# Altium PCB m2m v00.PcbDoc (part 1 of 2) (continued)
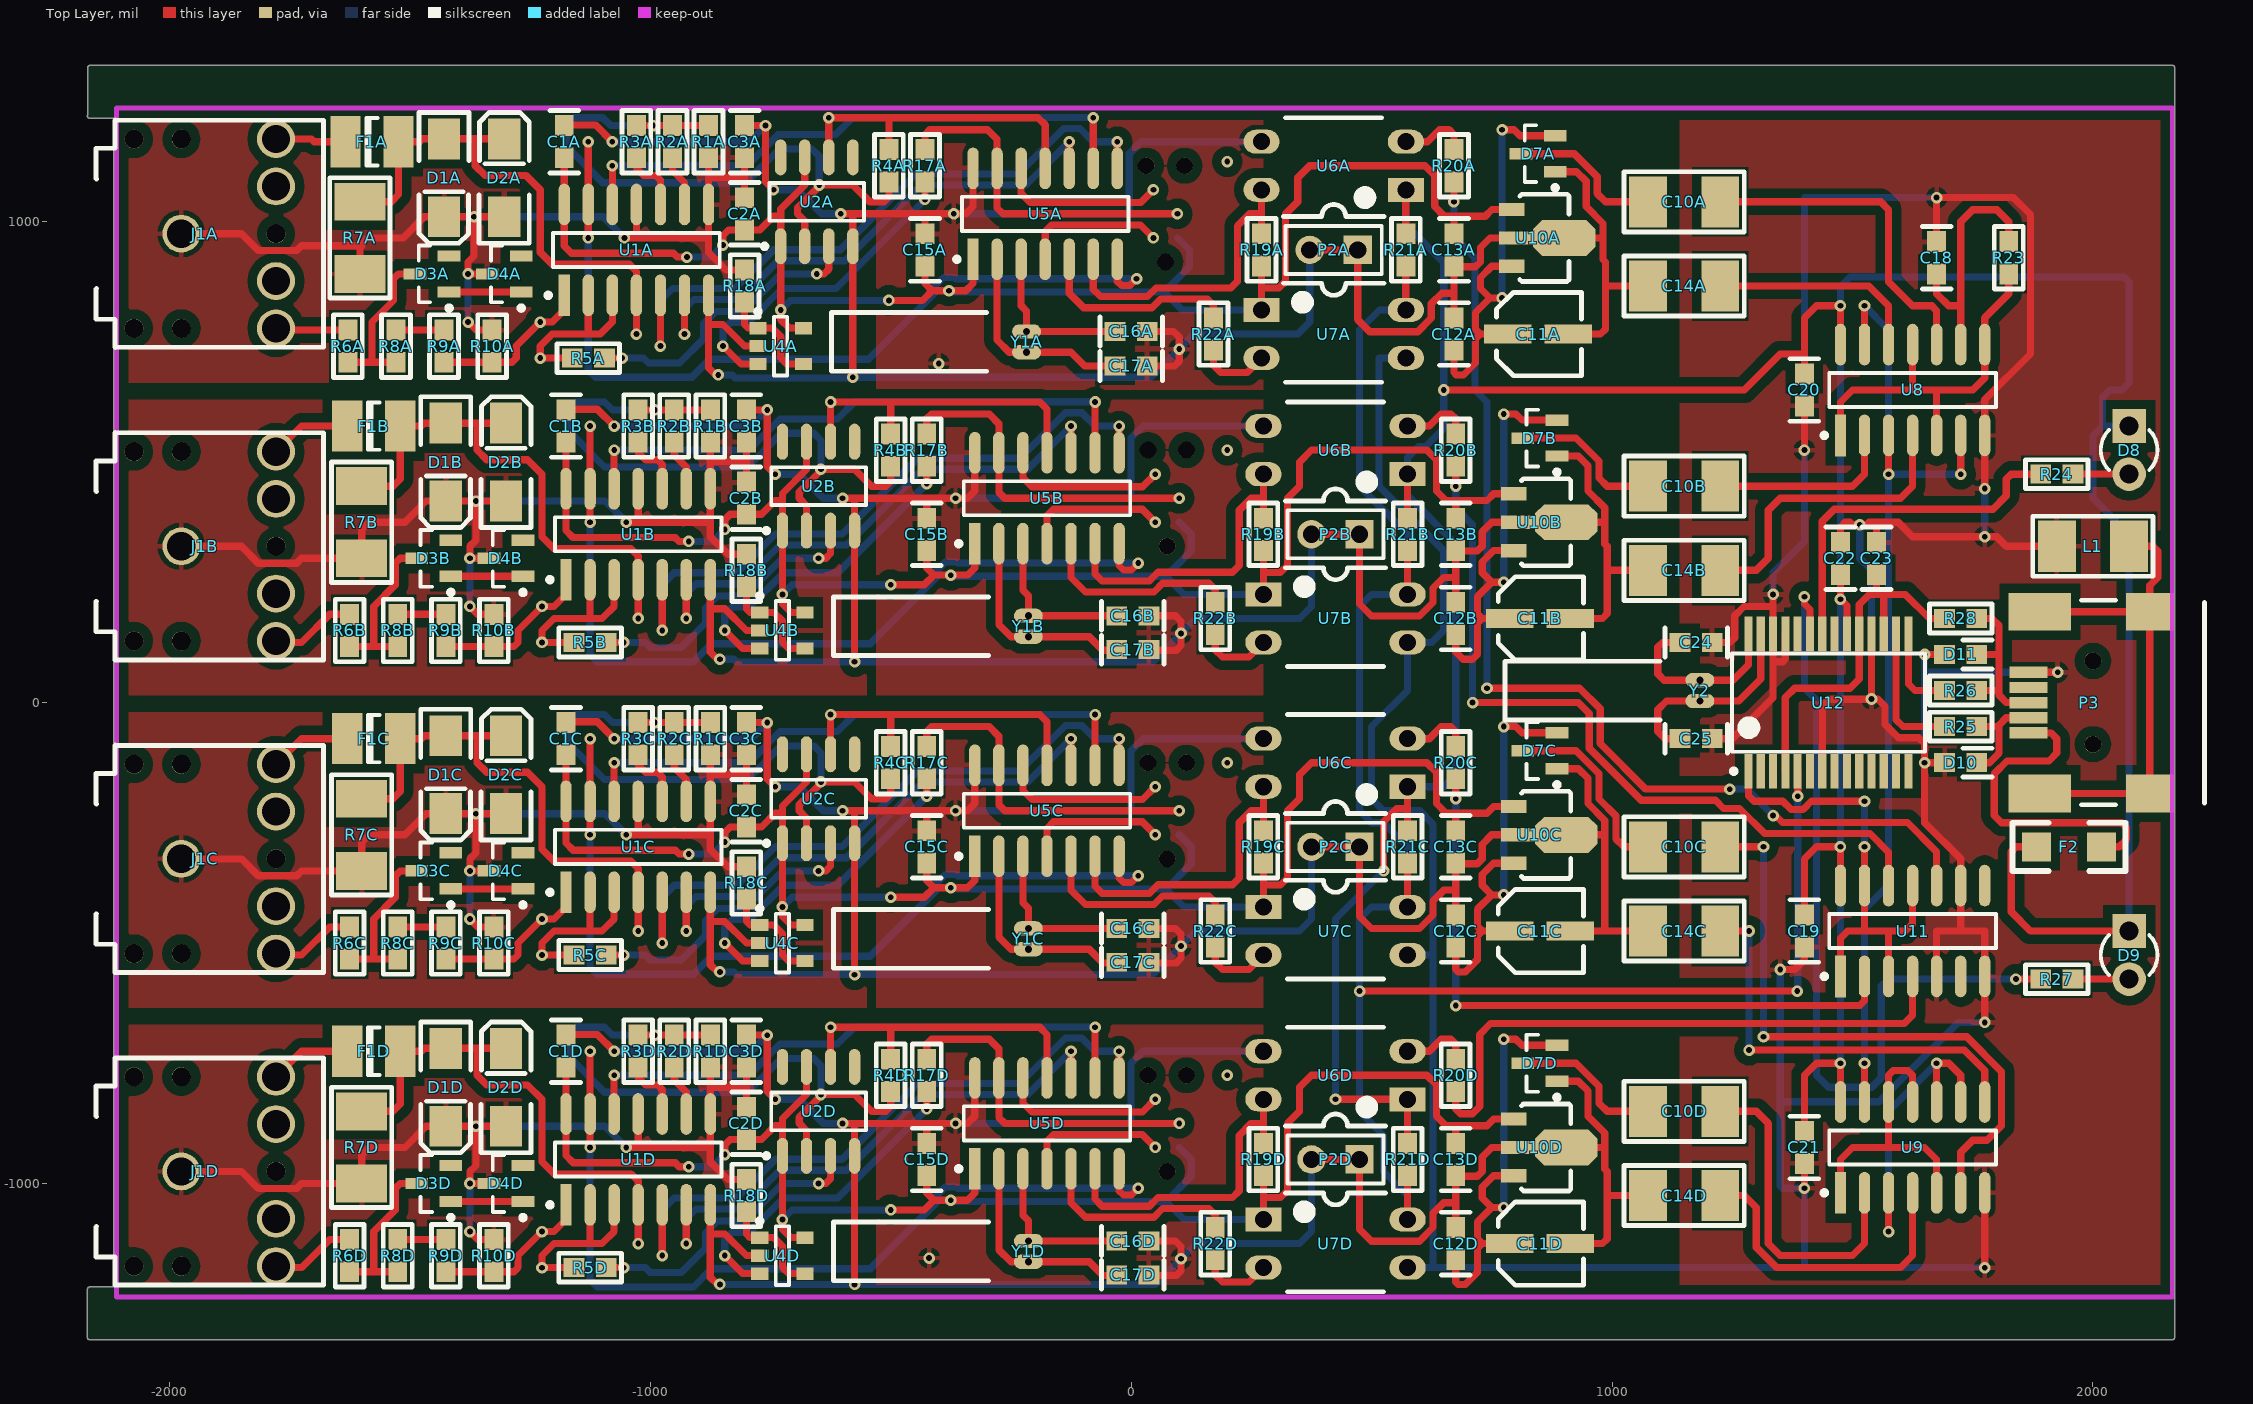
[diagram p0: Top Layer view]
## Components (designator, comment, footprint, x,y, rotation, side; value= is the part's Value field where it differs from the comment) (continued)
R8C "330K" "RES (3D) - 0603" -1525,-500 r270 top (schematic designator R8)
R8D "330K" "RES (3D) - 0603" -1525,-1150 r270 top (schematic designator R8)
R9A "470K" "RES (3D) - 0603" -1428.7,741.3 r90 top (schematic designator R9)
R9B "470K" "RES (3D) - 0603" -1425,150 r90 top (schematic designator R9)
R9C "470K" "RES (3D) - 0603" -1425,-500 r90 top (schematic designator R9)
R9D "470K" "RES (3D) - 0603" -1425,-1150 r90 top (schematic designator R9)
R10A "100K" "RES (3D) - 0603" -1328.7,741.3 r270 top (schematic designator R10)
R10B "100K" "RES (3D) - 0603" -1325,150 r270 top (schematic designator R10)
R10C "100K" "RES (3D) - 0603" -1325,-500 r270 top (schematic designator R10)
R10D "100K" "RES (3D) - 0603" -1325,-1150 r270 top (schematic designator R10)
R17A "1k" "RES (3D) - 0603" -428.7,1116.3 r270 top (schematic designator R17)
R17B "1k" "RES (3D) - 0603" -425,525 r270 top (schematic designator R17)
R17C "1k" "RES (3D) - 0603" -425,-125 r270 top (schematic designator R17)
R17D "1k" "RES (3D) - 0603" -425,-775 r270 top (schematic designator R17)
R18A "100R" "RES (3D) - 0603" -803.7,866.3 r270 top (schematic designator R18)
R18B "100R" "RES (3D) - 0603" -800,275 r270 top (schematic designator R18)
R18C "100R" "RES (3D) - 0603" -800,-375 r270 top (schematic designator R18)
R18D "100R" "RES (3D) - 0603" -800,-1025 r270 top (schematic designator R18)
R19A "10k" "RES (3D) - 0603" 271.3,941.3 r270 top (schematic designator R19)
R19B "10k" "RES (3D) - 0603" 275,350 r270 top (schematic designator R19)
R19C "10k" "RES (3D) - 0603" 275,-300 r270 top (schematic designator R19)
R19D "10k" "RES (3D) - 0603" 275,-950 r270 top (schematic designator R19)
R20A "470R" "RES (3D) - 0603" 671.3,1116.3 r270 top (schematic designator R20)
R20B "470R" "RES (3D) - 0603" 675,525 r270 top (schematic designator R20)
R20C "470R" "RES (3D) - 0603" 675,-125 r270 top (schematic designator R20)
R20D "470R" "RES (3D) - 0603" 675,-775 r270 top (schematic designator R20)
R21A "10k" "RES (3D) - 0603" 571.3,941.3 r90 top (schematic designator R21)
R21B "10k" "RES (3D) - 0603" 575,350 r90 top (schematic designator R21)
R21C "10k" "RES (3D) - 0603" 575,-300 r90 top (schematic designator R21)
R21D "10k" "RES (3D) - 0603" 575,-950 r90 top (schematic designator R21)
R22A "470R" "RES (3D) - 0603" 171.3,766.3 r270 top (schematic designator R22)
R22B "470R" "RES (3D) - 0603" 175,175 r270 top (schematic designator R22)
R22C "470R" "RES (3D) - 0603" 175,-475 r270 top (schematic designator R22)
R22D "470R" "RES (3D) - 0603" 175,-1125 r270 top (schematic designator R22)
R23 "22k" "RES (3D) - 0603" 1825,925 r270 top
R24 "470R" "RES (3D) - 0603" 1925,475 r180 top
R25 "22R" "RES (3D) - 0603" 1725,-50 r0 top
R26 "22R" "RES (3D) - 0603" 1725,25 r0 top
R27 "470R" "RES (3D) - 0603" 1925,-575 r180 top
R28 "1k5" "RES (3D) - 0603" 1725,175 r180 top
TP1A "TestPoint" TP -928.7,766.3 r90 bottom (schematic designator TP1)
TP1B "TestPoint" TP -925,175 r90 bottom (schematic designator TP1)
TP1C "TestPoint" TP -925,-475 r90 bottom (schematic designator TP1)
TP1D "TestPoint" TP -925,-1125 r90 bottom (schematic designator TP1)
TP2A "TestPoint" TP -1078.7,1116.3 r90 bottom (schematic designator TP2)
TP2B "TestPoint" TP -1075,525 r90 bottom (schematic designator TP2)
TP2C "TestPoint" TP -1075,-125 r90 bottom (schematic designator TP2)
TP2D "TestPoint" TP -1075,-775 r90 bottom (schematic designator TP2)
TP3A "TestPoint" TP -978.7,741.3 r90 bottom (schematic designator TP3)
TP3B "TestPoint" TP -975,150 r90 bottom (schematic designator TP3)
TP3C "TestPoint" TP -975,-500 r90 bottom (schematic designator TP3)
TP3D "TestPoint" TP -975,-1150 r90 bottom (schematic designator TP3)
TP4A "TestPoint" TP -1028.7,766.3 r90 bottom (schematic designator TP4)
TP4B "TestPoint" TP -1025,175 r90 bottom (schematic designator TP4)
TP4C "TestPoint" TP -1025,-475 r90 bottom (schematic designator TP4)
TP4D "TestPoint" TP -1025,-1125 r90 bottom (schematic designator TP4)
TP5A "TestPoint" TP -628.7,1216.3 r90 bottom (schematic designator TP5)
TP5B "TestPoint" TP -625,625 r90 bottom (schematic designator TP5)
TP5C "TestPoint" TP -625,-25 r90 bottom (schematic designator TP5)
TP5D "TestPoint" TP -625,-675 r90 bottom (schematic designator TP5)
TP6A "TestPoint" TP -1228.7,716.3 r90 bottom (schematic designator TP6)
TP6B "TestPoint" TP -1225,125 r90 bottom (schematic designator TP6)
TP6C "TestPoint" TP -1225,-525 r90 bottom (schematic designator TP6)
TP6D "TestPoint" TP -1225,-1175 r90 bottom (schematic designator TP6)
TP7A "TestPoint" TP -1128.7,1166.3 r90 bottom (schematic designator TP7)
TP7B "TestPoint" TP -1125,575 r90 bottom (schematic designator TP7)
TP7C "TestPoint" TP -1125,-75 r90 bottom (schematic designator TP7)
TP7D "TestPoint" TP -1125,-725 r90 bottom (schematic designator TP7)
TP8A "TestPoint" TP -1228.7,791.3 r90 bottom (schematic designator TP8)
TP8B "TestPoint" TP -1225,200 r90 bottom (schematic designator TP8)
TP8C "TestPoint" TP -1225,-450 r90 bottom (schematic designator TP8)
TP8D "TestPoint" TP -1225,-1100 r90 bottom (schematic designator TP8)
U1A "74HC4066" D014_N -1028.7,941.3 r0 top (schematic designator U1)
U1B "74HC4066" D014_N -1025,350 r0 top (schematic designator U1)
U1C "74HC4066" D014_N -1025,-300 r0 top (schematic designator U1)
U1D "74HC4066" D014_N -1025,-950 r0 top (schematic designator U1)
U2A "MAX4238ASA+" SO-8 -653.7,1041.3 r90 top (schematic designator U2)
U2B "MAX4238ASA+" SO-8 -650,450 r90 top (schematic designator U2)
U2C "MAX4238ASA+" SO-8 -650,-200 r90 top (schematic designator U2)
U2D "MAX4238ASA+" SO-8 -650,-850 r90 top (schematic designator U2)
U4A "MCP6L02" SOT23-5AL -728.7,741.3 r0 top (schematic designator U4)
U4B "MCP6L02" SOT23-5AL -725,150 r0 top (schematic designator U4)
U4C "MCP6L02" SOT23-5AL -725,-500 r0 top (schematic designator U4)
U4D "MCP6L02" SOT23-5AL -725,-1150 r0 top (schematic designator U4)
U5A "PIC16F1823-I/SL" SOIC-14 -178.7,1016.3 r0 top (schematic designator U5)
U5B "PIC16F1823-I/SL" SOIC-14 -175,425 r0 top (schematic designator U5)
U5C "PIC16F1823-I/SL" SOIC-14 -175,-225 r0 top (schematic designator U5)
U5D "PIC16F1823-I/SL" SOIC-14 -175,-875 r0 top (schematic designator U5)
U6A "OPTO FL817" DIP_4 421.3,1116.3 r180 top (schematic designator U6)
U6B "OPTO FL817" DIP_4 425,525 r180 top (schematic designator U6)
U6C "OPTO FL817" DIP_4 425,-125 r180 top (schematic designator U6)
U6D "OPTO FL817" DIP_4 425,-775 r180 top (schematic designator U6)
U7A "OPTO FL817" DIP_4 421.3,766.3 r0 top (schematic designator U7)
U7B "OPTO FL817" DIP_4 425,175 r0 top (schematic designator U7)
U7C "OPTO FL817" DIP_4 425,-475 r0 top (schematic designator U7)
U7D "OPTO FL817" DIP_4 425,-1125 r0 top (schematic designator U7)
U8 "SN74AHC04D" SOIC-14 1625,650 r0 top
U9 "SN74AHC04D" SOIC-14 1625,-925 r0 top
U10A "UA78L05CPK" SOT89 846.3,966.3 r270 top (schematic designator U10)
U10B "UA78L05CPK" SOT89 850,375 r270 top (schematic designator U10)
U10C "UA78L05CPK" SOT89 850,-275 r270 top (schematic designator U10)
U10D "UA78L05CPK" SOT89 850,-925 r270 top (schematic designator U10)
U11 "SN74AHC04D" SOIC-14 1625,-475 r0 top
U12 "PL2303" SSOP28 1450,0 r0 top
Y1A "XTAL" "CRYSTAL 3x8"#1 -300,750 r180 top (schematic designator Y1)
Y1B "XTAL" "CRYSTAL 3x8"#1 -296.3,158.7 r180 top (schematic designator Y1)
Y1C "XTAL" "CRYSTAL 3x8"#1 -296.3,-491.3 r180 top (schematic designator Y1)
Y1D "XTAL" "CRYSTAL 3x8"#1 -296.3,-1141.3 r180 top (schematic designator Y1)
Y2 "XTAL" "CRYSTAL 3x8"#2 1100,25 r180 top

## Footprints (in the part's own frame and the unit in brackets; to place one, negate y for a bottom-side part, rotate by r counter-clockwise, add the part's x,y. Pads: shape width x height; smd on the part's side, far side on the other; paste and mask are expansions set on the pad)
"3.5MM pcb mouNt" [mm]
  round 1 hole 1: 0(-2.5,-5) 0(-2.5,5) 0(0,-5) 0(0,5) 0(5,0)
  round 2 hole 1.5: 1(0,0) 2(5,-5) 3(5,-2.5) 4(5,2.5) 5(5,5)
  silkscreen extent -4.5,-6.01 7.5,6.01, body extent -6.55,-6 7.5,6, height 5.52
1206 [mil]
  rect 60x60 smd: 1(-67.5,0) 2(67.5,0)
  silkscreen extent -118,-50 118,50, body extent -63,-31 63,31, height 22
"CAP (3D) - 0603" [mm]
  rect 1.1x1 smd: 1(0.85,0) 2(-0.85,0)
  silkscreen extent -1.65,-0.76 1.65,0.76, body extent -0.8,-0.4 0.8,0.4, height 0.92
"CAP ELECTRO SIZE-B" [mm]
  rect 1x2.5 smd: 1(0,-1.6) 2(0,1.6)
  silkscreen extent -2.2,-2.2 2.2,2.3, body extent -2.15,-2.3 2.15,2.3, height 5.4
"CRYSTAL 3x8"#1 [mil]
  oval 60x30 hole 15: 1(-82.68,-21.65) 2(-82.68,21.65)
  silkscreen extent 0,-61 323,61, body extent -116,-61 323,61, height 120
"CRYSTAL 3x8"#2 [mil]
  oval 60x30 hole 15: 1(-82.68,21.65) 2(-82.68,-21.65)
  silkscreen extent 0,-61 323,61, body extent -116,-61 323,61, height 120
D014_N [mm] "SOIC, 14-Leads, Body 8.7x3.9mm, Pitch 1.27mm, IPC Medium Density"
  rect 0.6x2.2 smd: 1(-3.81,-2.4)
  oval 0.6x2.2 smd: 2(-2.54,-2.4) 3(-1.27,-2.4) 4(0,-2.4) 5(1.27,-2.4) 6(2.54,-2.4) 7(3.81,-2.4) 8(3.81,2.4) 9(2.54,2.4) 10(1.27,2.4) 11(0,2.4) 12(-1.27,2.4) 13(-2.54,2.4) 14(-3.81,2.4)
  silkscreen extent -4.78,-2.52 4.4,0.9, body extent -4.37,-3 4.38,3, height 1.75
DIP_4 [mm]
  rect 1.905x1.27 hole 0.9: 1(-3.81,1.27)
  oval 1.905x1.27 hole 0.9: 2(-3.81,-1.27) 3(3.81,-1.27) 4(3.81,1.27)
  silkscreen extent -2.65,-2.54 2.65,2.68, body extent -4,-2.92 4,2.62, height 4.31
DO-214AC [mil]
  rect 85x67 smd: 1(-81,0) 2(81,0)
  silkscreen extent -136,-52 136,52, body extent -79,-39 79,39, height 61
HDR1X2 [mm] "Connector; Header; 2 Position"
  rect 1.5x1.5 hole 0.9: 1(0,0)
  round 1.5 hole 0.9: 2(2.54,0)
  silkscreen extent -1.27,-1.27 3.81,1.27
"ICSP - TAG CONNECT TYPE2" [mil] "ICSP - TAG CONNECT - TYPE 2"
  round 31 smd paste-40: 1(-50,25) 2(-50,-25) 3(-100,25) 4(-100,-25) 5(-150,25) 6(-150,-25)
  round 34 hole 35 unplated: A(0,0) B(-200,-40) C(-200,40)
  silkscreen extent -175,-50 25,50
"LED(3D) 3MM VERTICAL (GREEN)" [mil]
  rect 70x70 hole 40: 1(50.06,-0.28)
  round 70 hole 40: 2(-49.94,-0.28)
  silkscreen extent -42,-59 42,59, body extent -65,-65 61,64, height 196
"LED(3D) 3MM VERTICAL (RED)" [mil]
  rect 70x70 hole 40: 1(50.06,-0.28)
  round 70 hole 40: 2(-49.94,-0.28)
  silkscreen extent -42,-59 42,59, body extent -66,-66 61,64, height 207
"LITTELFUSE 1210" [mm] "Chip Capacitor; Body 3.2 x 2.5 mm (LxW typ)"
  rect 1.6x2.7 smd: 1(-1.4,0) 2(1.4,0)
  silkscreen extent -0.3,-1.25 0.3,1.25, body extent -1.61,-1.29 1.61,1.29, height 0.67
"MINI USB" [mm] "KEYSTONE ELECTRONICS 934"
  rect 2x2.5 smd: 0(-4.8,-3) 0(4.8,-3)
  rect 2x3.3 smd: 0(-4.8,2.8) 0(4.8,2.8)
  rect 0.6x2 smd: 1(-1.6,3.4) 2(-0.8,3.4) 3(0,3.4) 4(0.8,3.4) 5(1.6,3.4)
  round 0.89 hole 0.89 unplated: MT(-2.2,0) MT(2.2,0)
  silkscreen extent -5.4,-5.9 5.4,0.6, body extent -5.35,-5.9 5.35,3.3, height 3.97
"RES (3D) - 0603" [mm]
  rect 1.1x1 smd: 1(0.85,0) 2(-0.85,0)
  silkscreen extent -1.65,-0.76 1.65,0.76, body extent -0.8,-0.4 0.8,0.4, height 0.92
"RES (3D) - 1210" [mm] "Chip Diode; Body 3.2 x 2.5 mm (LxW typ)"
  rect 2x2.7 smd: 1(-1.905,0) 2(1.905,0)
  silkscreen extent -3.18,-1.59 3.18,1.59, body extent -2,-1.24 2,1.24, height 1.7
SO-8 [mm] "SOIC, 8-Leads, Body 4.9x3.9mm, Pitch 1.27mm, IPC High Density"
  oval 1.9x0.6 smd: 1(-2.35,1.905) 2(-2.35,0.635) 3(-2.35,-0.635) 4(-2.35,-1.905) 5(2.35,-1.905) 6(2.35,-0.635) 7(2.35,0.635) 8(2.35,1.905)
  silkscreen extent -2.47,-2.5 1,2.88, body extent -2.9,-2.45 3.1,2.45, height 1.75
SOIC-14 [mm] "SOIC-14  NARROW BODY"
  rect 0.6x2.2 smd: 1(-3.81,-2.4)
  oval 0.6x2.2 smd: 2(-2.54,-2.4) 3(-1.27,-2.4) 4(0,-2.4) 5(1.27,-2.4) 6(2.54,-2.4) 7(3.81,-2.4) 8(3.81,2.4) 9(2.54,2.4) 10(1.27,2.4) 11(0,2.4) 12(-1.27,2.4) 13(-2.54,2.4) 14(-3.81,2.4)
  silkscreen extent -4.78,-2.52 4.4,0.9, body extent -4.37,-3 4.38,3, height 1.75
SOT23-3L [mm] "SOT23, 3-Leads, Body 2.9x1.3mm, Pitch 0.95mm, Lead Span 2.5mm, IPC High Density"
  rect 1.2x0.6 smd: 1(-0.9,0.95) 2(-0.9,-0.95) 3(0.9,0)
  silkscreen extent -1.02,-1.5 0.7,1.92, body extent -1.25,-1.5 1.25,1.5, height 1.12
SOT23-5AL [mm] "SOT23, 5-Leads, Body 2.9x1.6mm, Pitch 0.95mm, Lead Span 2.8mm, IPC High Density"
  rect 0.9x0.65 smd: 1(-1.2,0.95) 2(-1.2,0) 3(-1.2,-0.95) 4(1.2,-0.95) 5(1.2,0.95)
  silkscreen extent -1.32,-1.55 0.35,1.95, body extent -1.17,-1.46 1.17,1.46, height 1
SOT89 [mm]
  rect 0.7x1.35 smd: 1(1.5,-1.388) 3(-1.5,-1.388)
  rect 0.7x1.8 smd: 2(0,-1.163)
  oct 1.9x3.3 smd: 2(0,1.388)
  silkscreen extent -2.3,-0.97 2.3,1.63, body extent -2.3,-1.9 2.3,2.35, height 1.62
SSOP28 [mil]
  rect 17x72 smd: 1(-166.34,-142.72) 2(-140.75,-142.72) 3(-115.16,-142.72) 4(-89.57,-142.72) 5(-63.98,-142.72) 6(-38.39,-142.72) 7(-12.8,-142.72) 8(12.8,-142.72) 9(38.38,-142.72) 10(63.97,-142.72) 11(89.56,-142.72) 12(115.15,-142.72) 13(140.74,-142.72) 14(166.33,-142.72) 15(166.33,142.72) 16(140.74,142.72) 17(115.15,142.72) 18(89.56,142.72) 19(63.97,142.72) 20(38.38,142.72) 21(12.8,142.72) 22(-12.8,142.72) 23(-38.39,142.72) 24(-63.98,142.72) 25(-89.57,142.72) 26(-115.16,142.72) 27(-140.75,142.72) 28(-166.34,142.72)
  silkscreen extent -205,-148 201,102, body extent -203,-153 203,153, height 85
TP [mm] "Test Point, Single Side, No Hole"
  round 1 smd: 1(0,0)
"TVS (3D) - 0603" [mm]
  rect 1.1x1 smd: 1(0.85,0) 2(-0.85,0)
  silkscreen extent -1.65,-0.76 -0.13,0.76, body extent -0.8,-0.4 0.8,0.4, height 0.72

## Part data
C1A C1B C1C C1D C2A C2B C2C C2D C3A C3B C3C C3D C12A C12B C12C C12D C13A C13B C13C C13D C15A C15B C15C C15D C19 C20 C21: library part Cap, "Capacitor"
C10A C10B C10C C10D C14A C14B C14C C14D: library part CAP, "CAPACITOR SMD 0603"
C11A C11B C11C C11D: library part "Cap Pol1", "Polarized Capacitor (Radial)"
C16A C16B C16C C16D C17A C17B C17C C17D: library part CAP, "CAPACITOR SMD 0402"
C18: "Capacitor"
C22 C23: library part "CAP SMD 0603 100nF", "CAPACITOR SMD 0603"
C24 C25: library part "CAP SMD 0603 1nF", "CAPACITOR SMD 0603"
D1A D1B D1C D1D D2A D2B D2C D2D: library part DIODE, "DIODE, POWER"
D3A D3B D3C D3D D4A D4B D4C D4D: library part "D Zener", "Zener Diode"
D7A D7B D7C D7D: "DUAL DIODE, SCHOTTKY"
D8: library part "LED 3mm RED", "3mm RED LED"
D9: library part "LED 3mm GREEN", "3mm GREEN LED"
D10 D11: library part "TVS DIODE", "Transient Voltage Suppression (TVS) Diode"
F1A F1B F1C F1D F2: library part "Fuse 2", "Fuse"
ICSP1A ICSP1B ICSP1C ICSP1D: library part "ICSP - TAG CONNECT"
J1A J1B J1C J1D: library part "Phonejack Stereo SW", "3-Conductor Jack with 2 break contacts (normals) and 2 auxiliary make contacts"
L1: library part "INDUCTOR SMD 1210 100uH", "INDUCTOR SMD 1210"
P2A P2B P2C P2D: library part "Header 2", "Header, 2-Pin"
P3: library part "MICRO USB", "MICRO USB"
R1A R1B R1C R1D R2A R2B R2C R2D R3A R3B R3C R3D R4A R4B R4C R4D R5A R5B R5C R5D R18A R18B R18C R18D: library part "RES SMD 0603", "RESISTOR SMD 0603"
R6A R6B R6C R6D R8A R8B R8C R8D R9A R9B R9C R9D R10A R10B R10C R10D R23: library part "RES SMD 0603 10k", "RESISTOR SMD 0603 10k"
R7A R7B R7C R7D: library part Res2, "Resistor"
R17A R17B R17C R17D R20A R20B R20C R20D R22A R22B R22C R22D: library part "RES SMD 0603 1k", "RESISTOR SMD 0603 1k"
R19A R19B R19C R19D R21A R21B R21C R21D: library part "RES SMD 0603 100R", "RESISTOR SMD 0603"
R24 R27: library part "RES SMD 0603 590R", "RESISTOR SMD 0603 590R"
R25 R26 R28: library part "RES SMD 0603 0R", "RESISTOR SMD 0603 0R"
U1A U1B U1C U1D: "Quadruple Bilateral Analog Switch"
U2A U2B U2C U2D: library part MAX495CSA, "Single Voltage-Feedback Operational Amplifier"
U4A U4B U4C U4D: library part MCP6L01, "MCP6L01"
U5A U5B U5C U5D: library part PIC16F1823
U6A U6B U6C U6D U7A U7B U7C U7D: library part FL817, "4-Pin Phototransistor Optocoupler"
U8 U9 U11: "Hex Inverter"
U10A U10B U10C U10D: "3-Terminal Positive Fixed Voltage Regulator"
U12: "PL2303 USB to 232 Converter (FT232 Compatible)"
Y1A Y1B Y1C Y1D Y2: "Crystal Oscillator"

## Via types
v1: diameter 24, hole 12, Top Layer to Bottom Layer, 220 vias

## Nets (pads, with @x,y where several pads share a name; then routed paths per layer and width w, separated by ;. In a path a pad name is that pad's centre, name@x,y a point inside that pad or via, vN(x,y) a via of type N, cw(c..) or ccw(c..) an arc to the next point about the centre after c; other vN are vias at no path point)
3V3: C23.1 R28.1 U12.4 U12.17 U12.19 | length 808.5
  Top Layer w15: U12.4@1360.43,-142.72 1360.43,10.43 1380,30 1495,30 1513.97,48.97 U12.19@1513.97,142.72 1513.97,203.97 1535,225 1550,225 ; C23.1@1550,266.54 1550,225 ; U12.17@1565.15,142.72 1565.15,224.85 1565,225 ; R28.1@1691.54,175 1660,175 1610,225 1565,225 ; 1550,225 1565,225
AMPS_IN_1A: F1A.1 J1A.5 | length 146.6
  Top Layer w15: J1A.5@-1778.15,1171.85 -1704.25,1171.85 -1698.7,1166.3 F1A.1@-1633.82,1166.3
AMPS_IN_1B: F1B.1 J1B.5 | length 170
  Top Layer w15: J1B.5@-1778.15,521.85 -1725,575 F1B.1@-1630.12,575
AMPS_IN_1C: F1C.1 J1C.5 | length 170
  Top Layer w15: J1C.5@-1778.15,-128.15 -1725,-75 F1C.1@-1630.12,-75
AMPS_IN_1D: F1D.1 J1D.5 | length 170
  Top Layer w15: J1D.5@-1778.15,-778.15 -1725,-725 F1D.1@-1630.12,-725
CHANNEL_SAMPLE1: R4A.2 TP5A.1 U2A.6 U5A.11 | length 690.2
  Top Layer w15: U2A.6@-628.7,1133.82 v1(-628.7,1216.3) -503.7,1216.3 ; R4A.2@-503.7,1149.76 -503.7,1216.3 ; U5A.11@-178.7,1116.3 -178.7,1201.3 -193.7,1216.3 -503.7,1216.3
CHANNEL_SAMPLE2: R4B.2 TP5B.1 U2B.6 U5B.11 | length 690.2
  Top Layer w15: U2B.6@-625,542.52 v1(-625,625) -500,625 ; R4B.2@-500,558.46 -500,625 ; U5B.11@-175,525 -175,610 -190,625 -500,625
CHANNEL_SAMPLE3: R4C.2 TP5C.1 U2C.6 U5C.11 | length 690.2
  Top Layer w15: U2C.6@-625,-107.48 v1(-625,-25) -500,-25 ; R4C.2@-500,-91.54 -500,-25 ; U5C.11@-175,-125 -175,-40 -190,-25 -500,-25
CHANNEL_SAMPLE4: R4D.2 TP5D.1 U2D.6 U5D.11 | length 690.2
  Top Layer w15: U2D.6@-625,-757.48 v1(-625,-675) -500,-675 ; R4D.2@-500,-741.54 -500,-675 ; U5D.11@-175,-775 -175,-690 -190,-675 -500,-675
DRIVE_1: C10A.1 U8.10 | length 702.1
  Top Layer w15: C10A.1@1225,1041.3 1558.7,1041.3 1575,1025 1575,875 1625,825 1665,825 1675,815 U8.10@1675,744.49
DRIVE_2: C10B.1 U8.2 | length 390.9
  Top Layer w15: C10B.1@1225,450 1500,450 1525,475 U8.2@1525,555.51
DRIVE_3: C10C.1 U9.6 | length 1314.8
  Top Layer w15: C10C.1@1225,-300 v1(1315,-300) ; v1(1315,-695) 1737.53,-695 1810,-767.47 1810,-880 1780,-910 1750,-910 1725,-935 U9.6@1725,-1019.49
  Bottom Layer w15: v1(1315,-695) v1(1315,-300)
DRIVE_4: C10D.1 U9.2 | length 686.6
  Top Layer w15: C10D.1@1225,-850 1300,-850 1325,-875 1325,-1125 1350,-1150 1500,-1150 1525,-1125 U9.2@1525,-1019.49
GND: C18.2 C19.1 C20.1 C21.1 C22.2 C23.2 C24.2 C25.2 D10.1 D11.1 L1.2 P3.5 U7A.3 U7B.3 U7C.3 U7D.3 U8.7 U9.7 U11.5 U11.7 U11.9 U12.7 U12.18 U12.25 U12.26 | length 10676.8
  Top Layer w15: C25.2@1208.46,-75 1250,-75 1334.84,9.84 1334.84,85 ; C24.2@1208.46,125 1245,125 1255,135 1255,180.48 1274.52,200 1330,200 ; v1(1335,225) 1335,142.88 U12.26@1334.84,142.72 1334.84,85 ; v1(1350,-555) 1380,-555 1400,-535 C19.1@1400,-508.46 ; U12.25@1360.43,142.72 1360.43,90.43 1355,85 1334.84,85 ; v1(1400,-1010) C21.1@1400,-958.46 ; v1(1400,525) C20.1@1400,616.54 ; U12.7@1437.2,-142.72 1437.2,-5.8 1450,7 1539.13,7 v1(1539.56,7.44) U12.18@1539.56,142.72 ; C22.2@1475,333.46 1475,365 1485,375 1495,375 1500,370 v1(1515,370) 1530,370 1535,375 1550,375 ; C23.2@1550,333.46 1550,375 ; 1553.11,7 1567.74,-7.64 1567.74,-45.27 1595.47,-73 1638,-73 1650,-85 v1(1650,-125) ; v1(1650,100) D11.1@1691.54,100 ; U11.5@1675,-569.49 1675,-475 1725,-475 ; C18.2@1675,958.46 v1(1675,1050) 1835,1050 1870,1015 1870,725 1775,630 U8.7@1775,555.51 v1(1775,445) ; D10.1@1691.54,-125 v1(1650,-125) ; v1(1775,-1175) U9.7@1775,-1019.49 ; v1(1775,-665) U11.7@1775,-569.49 1775,-475 1725,-475 ; P3.5@1866.14,62.99 v1(1927.01,62.99) ; L1.2@1924.99,324.99 1820.01,324.99 1800,345 v1(1775,345) 1625,345 1595,375 1550,375 ; v1(1650,-125) 1650,-250 1725,-325 U11.9@1725,-380.51 1725,-475
  Bottom Layer w15: U7A.3@571.3,716.3 515.58,716.3 515.58,450 650,315.58 650,150 625,125 U7B.3@575,125 575,25 500,-50 500,-200 525,-225 600,-225 628,-253 628,-525 ; U7D.3@575,-1175 625,-1175 ; U7C.3@575,-525 628,-525 ; v1(1335,225) 1335,270 1400,335 v1(1400,525) 1400,1050 v1(1675,1050) ; v1(1350,-555) 1350,-830 ; v1(1515,370) 1515,300 1539.56,275.44 v1(1539.56,7.44) ; v1(1650,-125) 1650,65 ; v1(1650,100) 1650,65 ; v1(1775,-1175) 1400,-1175 ; v1(1775,-665) 1720,-665 1555,-830 1350,-830 ; v1(1775,345) v1(1775,445) ; v1(1927.01,62.99) 1652.01,62.99 1650,65 ; 625,-1175 1400,-1175 ; 625,-1175 628,-1172 628,-525 ; 1350,-830 1350,-1005 1355,-1010 v1(1400,-1010) 1400,-1175
I_SAMPLEA: D1A.1 D2A.2 F1A.2 R7A.2 TP4A.1 U1A.4 | length 1106.9
  Top Layer w15: R7A.2@-1603.71,1041.31 -1538.7,1041.3 -1523.58,1056.42 F1A.2@-1523.58,1166.3 -1479.7,1166.3 -1473.7,1172.3 D1A.1@-1428.7,1172.3 -1363.7,1172.3 ; D2A.2@-1303.7,1172.3 -1363.7,1172.3 ; v1(-1028.7,766.3) U1A.4@-1028.7,846.81 -1028.7,896.3 -1043.7,911.3 -1203.7,911.3 -1228.7,936.3 -1228.7,1066.3 -1258.7,1096.3 -1343.7,1096.3 -1363.7,1116.3 -1363.7,1172.3
I_SAMPLEB: D1B.1 D2B.2 F1B.2 R7B.2 TP4B.1 U1B.4 | length 1106.9
  Top Layer w15: R7B.2@-1600.01,450.01 -1535,450 -1519.88,465.12 F1B.2@-1519.88,575 -1476,575 -1470,581 D1B.1@-1425,581 -1360,581 ; D2B.2@-1300,581 -1360,581 ; v1(-1025,175) U1B.4@-1025,255.51 -1025,305 -1040,320 -1200,320 -1225,345 -1225,475 -1255,505 -1340,505 -1360,525 -1360,581
I_SAMPLEC: D1C.1 D2C.2 F1C.2 R7C.2 TP4C.1 U1C.4 | length 1106.9
  Top Layer w15: R7C.2@-1600.01,-199.99 -1535,-200 -1519.88,-184.88 F1C.2@-1519.88,-75 -1476,-75 -1470,-69 D1C.1@-1425,-69 -1360,-69 ; D2C.2@-1300,-69 -1360,-69 ; v1(-1025,-475) U1C.4@-1025,-394.49 -1025,-345 -1040,-330 -1200,-330 -1225,-305 -1225,-175 -1255,-145 -1340,-145 -1360,-125 -1360,-69
I_SAMPLED: D1D.1 D2D.2 F1D.2 R7D.2 TP4D.1 U1D.4 | length 1106.9
  Top Layer w15: R7D.2@-1600.01,-849.99 -1535,-850 -1519.88,-834.88 F1D.2@-1519.88,-725 -1476,-725 -1470,-719 D1D.1@-1425,-719 -1360,-719 ; D2D.2@-1300,-719 -1360,-719 ; v1(-1025,-1125) U1D.4@-1025,-1044.49 -1025,-995 -1040,-980 -1200,-980 -1225,-955 -1225,-825 -1255,-795 -1340,-795 -1360,-775 -1360,-719
I_SELECT1: TP3A.1 U1A.5 U5A.8 | length 1360
  Top Layer w15: v1(-978.7,741.3) U1A.5@-978.7,846.81 ; U5A.8@-28.7,1116.3 v1(-28.7,1166.3)
  Bottom Layer w15: v1(-978.7,741.3) -978.7,836.3 -953.7,861.3 -823.75,861.3 -743.25,941.8 -604.62,941.8 -447.12,1099.3 -234.59,1099.3 -140.09,1193.8 -106.2,1193.8 -78.7,1166.3 v1(-28.7,1166.3)
I_SELECT2: TP3B.1 U1B.5 U5B.8 | length 1360
  Top Layer w15: v1(-975,150) U1B.5@-975,255.51 ; U5B.8@-25,525 v1(-25,575)
  Bottom Layer w15: v1(-975,150) -975,245 -950,270 -820.05,270 -739.55,350.5 -600.92,350.5 -443.42,508 -230.89,508 -136.39,602.5 -102.5,602.5 -75,575 v1(-25,575)
I_SELECT3: TP3C.1 U1C.5 U5C.8 | length 1360
  Top Layer w15: v1(-975,-500) U1C.5@-975,-394.49 ; U5C.8@-25,-125 v1(-25,-75)
  Bottom Layer w15: v1(-975,-500) -975,-405 -950,-380 -820.05,-380 -739.55,-299.5 -600.92,-299.5 -443.42,-142 -230.89,-142 -136.39,-47.5 -102.5,-47.5 -75,-75 v1(-25,-75)
I_SELECT4: TP3D.1 U1D.5 U5D.8 | length 1360
  Top Layer w15: v1(-975,-1150) U1D.5@-975,-1044.49 ; U5D.8@-25,-775 v1(-25,-725)
  Bottom Layer w15: v1(-975,-1150) -975,-1055 -950,-1030 -820.05,-1030 -739.55,-949.5 -600.92,-949.5 -443.42,-792 -230.89,-792 -136.39,-697.5 -102.5,-697.5 -75,-725 v1(-25,-725)
ICSP_CLCKA: ICSP1A.5 U5A.12 | length 345.7
  Top Layer w15: U5A.12@-228.7,1110.79 -228.7,1058.7 -210,1040 20,1040 v1(46.3,1066.3)
ICSP_CLCKB: ICSP1B.5 U5B.12 | length 345.7
  Top Layer w15: U5B.12@-225,519.49 -225,467.4 -206.3,448.7 23.7,448.7 v1(50,475)
ICSP_CLCKC: ICSP1C.5 U5C.12 | length 345.7
  Top Layer w15: U5C.12@-225,-130.51 -225,-182.6 -206.3,-201.3 23.7,-201.3 v1(50,-175)
ICSP_CLCKD: ICSP1D.5 U5D.12 | length 345.7
  Top Layer w15: U5D.12@-225,-780.51 -225,-832.6 -206.3,-851.3 23.7,-851.3 v1(50,-825)
ICSP_DATAA: ICSP1A.4 R17A.2 U5A.13 | length 716.7
  Top Layer w15: R17A.2@-428.7,1149.76 -428.7,1181.3 -418.7,1191.3 -298.7,1191.3 -278.7,1171.3 U5A.13@-278.7,1110.79 -278.7,1028.7 -266.3,1016.3 v1(96.3,1016.3)
ICSP_DATAB: ICSP1B.4 R17B.2 U5B.13 | length 716.7
  Top Layer w15: R17B.2@-425,558.46 -425,590 -415,600 -295,600 -275,580 U5B.13@-275,519.49 -275,437.4 -262.6,425 v1(100,425)
ICSP_DATAC: ICSP1C.4 R17C.2 U5C.13 | length 716.7
  Top Layer w15: R17C.2@-425,-91.54 -425,-60 -415,-50 -295,-50 -275,-70 U5C.13@-275,-130.51 -275,-175 -275,-212.6 -262.6,-225 v1(100,-225)
ICSP_DATAD: ICSP1D.4 R17D.2 U5D.13 | length 716.7
  Top Layer w15: R17D.2@-425,-741.54 -425,-710 -415,-700 -295,-700 -275,-720 U5D.13@-275,-780.51 -275,-825 -275,-862.6 -262.6,-875 v1(100,-875)
ICSP_VPPA: ICSP1A.1 U5A.4 | length 299.6
  Top Layer w15: U5A.4@-178.7,921.81 -178.7,979.6 -165,993.3 19.3,993.3 v1(46.3,966.3)
ICSP_VPPB: ICSP1B.1 U5B.4 | length 299.6
  Top Layer w15: U5B.4@-175,330.51 -175,388.3 -161.3,402 23,402 v1(50,375)
ICSP_VPPC: ICSP1C.1 U5C.4 | length 299.6
  Top Layer w15: U5C.4@-175,-319.49 -175,-261.7 -161.3,-248 23,-248 v1(50,-275)
ICSP_VPPD: ICSP1D.1 U5D.4 | length 299.6
  Top Layer w15: U5D.4@-175,-969.49 -175,-911.7 -161.3,-898 23,-898 v1(50,-925)
K_010A: TP1A.1 U1A.6 U5A.10 | length 1126.7
  Top Layer w15: v1(-928.7,766.3) U1A.6@-928.7,846.81 ; U5A.10@-128.7,1116.3 v1(-128.7,1166.3)
  Bottom Layer w15: v1(-928.7,766.3) -928.7,818.3 -908.7,838.3 -814.23,838.3 -733.73,918.8 -595.09,918.8 -437.59,1076.3 -218.7,1076.3 v1(-128.7,1166.3)
K_010B: TP1B.1 U1B.6 U5B.10 | length 1126.7
  Top Layer w15: v1(-925,175) U1B.6@-925,255.51 ; U5B.10@-125,525 v1(-125,575)
  Bottom Layer w15: v1(-925,175) -925,227 -905,247 -810.53,247 -730.03,327.5 -591.39,327.5 -433.89,485 -215,485 v1(-125,575)
K_010C: TP1C.1 U1C.6 U5C.10 | length 1126.7
  Top Layer w15: v1(-925,-475) U1C.6@-925,-394.49 ; U5C.10@-125,-125 v1(-125,-75)
  Bottom Layer w15: v1(-925,-475) -925,-423 -905,-403 -810.53,-403 -730.03,-322.5 -591.39,-322.5 -433.89,-165 -215,-165 v1(-125,-75)
K_010D: TP1D.1 U1D.6 U5D.10 | length 1126.7
  Top Layer w15: v1(-925,-1125) U1D.6@-925,-1044.49 ; U5D.10@-125,-775 v1(-125,-725)
  Bottom Layer w15: v1(-925,-1125) -925,-1073 -905,-1053 -810.53,-1053 -730.03,-972.5 -591.39,-972.5 -433.89,-815 -215,-815 v1(-125,-725)
K_100A: TP2A.1 U1A.12 U5A.9 | length 1222.3
  Top Layer w15: U1A.12@-1078.7,1035.79 v1(-1078.7,1116.3) ; U5A.9@-78.7,1116.3 v1(-78.7,1216.3)
  Bottom Layer w15: v1(-1078.7,1116.3) -798.7,1116.3 -733.89,1181.11 -614.13,1181.11 -578.44,1216.8 -79.2,1216.8 v1(-78.7,1216.3)
K_100B: TP2B.1 U1B.12 U5B.9 | length 1222.3
  Top Layer w15: U1B.12@-1075,444.49 v1(-1075,525) ; U5B.9@-75,525 v1(-75,625)
  Bottom Layer w15: v1(-1075,525) -795,525 -730.19,589.81 -610.43,589.81 -574.74,625.5 -75.5,625.5 v1(-75,625)
K_100C: TP2C.1 U1C.12 U5C.9 | length 1222.3
  Top Layer w15: U1C.12@-1075,-205.51 v1(-1075,-125) ; U5C.9@-75,-125 v1(-75,-25)
  Bottom Layer w15: v1(-1075,-125) -795,-125 -730.19,-60.19 -610.43,-60.19 -574.74,-24.5 -75.5,-24.5 v1(-75,-25)
K_100D: TP2D.1 U1D.12 U5D.9 | length 1222.3
  Top Layer w15: U1D.12@-1075,-855.51 v1(-1075,-775) ; U5D.9@-75,-775 v1(-75,-675)
  Bottom Layer w15: v1(-1075,-775) -795,-775 -730.19,-710.19 -610.43,-710.19 -574.74,-674.5 -75.5,-674.5 v1(-75,-675)
NetC10A_2: C10A.2 D7A.3 | length 297.4
  Top Layer w15: D7A.3@810.87,1141.3 921.42,1141.3 969.3,1093.42 969.3,1058.3 986.31,1041.29 C10A.2@1046.29,1041.29
NetC10B_2: C10B.2 D7B.3 | length 297.4
  Top Layer w15: D7B.3@814.57,550 925.12,550 973,502.12 973,467 990.01,449.99 C10B.2@1049.99,449.99
NetC10C_2: C10C.2 D7C.3 | length 401.9
  Top Layer w15: D7C.3@814.57,-100 925.12,-100 973,-147.88 973,-200.47 1008,-235.47 1008,-283 1025.01,-300.01 C10C.2@1074.99,-300.01
NetC10D_2: C10D.2 D7D.3 | length 297.4
  Top Layer w15: D7D.3@814.57,-750 925.12,-750 973,-797.88 973,-833 990.01,-850.01 C10D.2@1049.99,-850.01
NetC11A_1: C11A.1 C12A.2 D7A.2 U10A.1 | length 933.2
  Top Layer w15: C12A.2@671.3,732.84 671.3,686.3 676.3,681.3 691.3,681.3 716.3,706.3 716.3,756.3 726.3,766.3 ; v1(771.3,841.3) 746.3,841.3 ; v1(771.3,1191.3) 796.3,1191.3 808.9,1178.7 D7A.2@881.73,1178.7 ; C11A.1@783.31,766.3 726.3,766.3 ; U10A.1@791.67,907.25 749.77,907.25 726.3,883.77 726.3,861.3 746.3,841.3 ; 726.3,766.3 716.3,776.3 716.3,811.3 746.3,841.3
  Bottom Layer w15: v1(771.3,841.3) v1(771.3,1191.3)
NetC11B_1: C11B.1 C12B.2 D7B.2 U10B.1 | length 1303.9
  Top Layer w15: C12B.2@675,141.54 675,105 690,90 710,90 720,100 720,165 730,175 ; v1(775,250) 750,250 ; v1(775,600) 800,600 ; C11B.1@787.01,175 730,175 ; U10B.1@795.37,315.95 753.47,315.95 730,292.47 730,270 750,250 ; D7B.2@885.43,587.4 812.6,587.4 ; 730,175 720,185 720,220 750,250 ; 800,600 812.6,587.4 ; 800,600 812.6,587.4
  Bottom Layer w15: v1(775,250) v1(775,600) v1(775,250)
  other v1: 775,250 775,600
NetC11C_1: C11C.1 C12C.2 D7C.2 U10C.1 | length 1301
  Top Layer w15: C12C.2@675,-508.46 675,-555 680,-560 695,-560 720,-535 720,-485 730,-475 ; v1(775,-400) 750,-400 ; v1(775,-50) 800,-50 ; C11C.1@787.01,-475 730,-475 ; U10C.1@795.37,-334.05 753.47,-334.05 730,-357.53 730,-380 750,-400 ; D7C.2@885.43,-62.6 812.6,-62.6 ; 730,-475 720,-465 720,-430 750,-400 ; 800,-50 812.6,-62.6 ; 800,-50 812.6,-62.6
  Bottom Layer w15: v1(775,-400) v1(775,-50) v1(775,-400)
  other v1: 775,-400 775,-50